# KiCad board panel.kicad_pcb (continued)
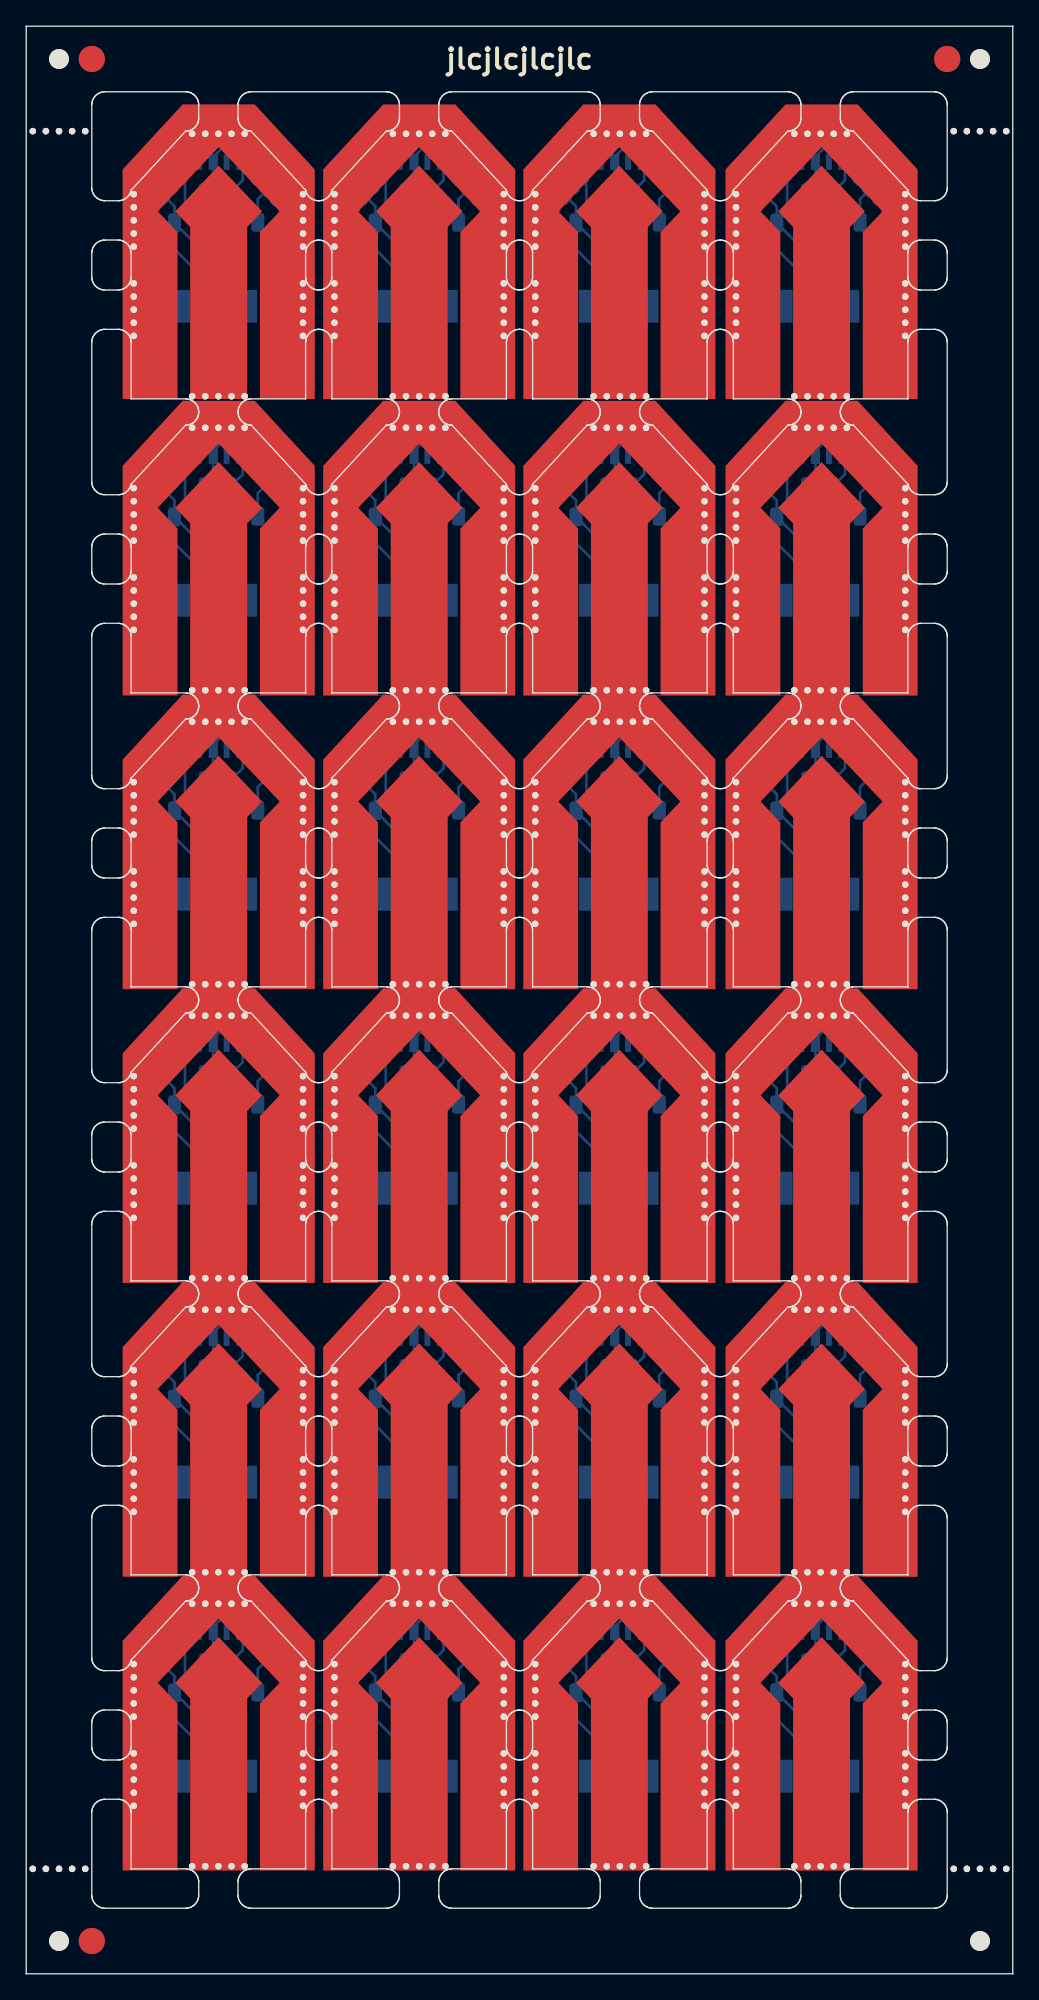
[diagram p0: board, top side]
## Nets (continued)
Board_18-LEDout: D1#8.1 J9#20.1
Board_18-Net-(D1-3): D1#8.3 D2#23.1
Board_18-Net-(D2-3): D2#23.3 D3#20.1
Board_18-unconnected-(D3-Dout-Pad3): D3#20.3
Board_18-VSS: C1#24.1 C2#10.1 C3#17.1 D1#8.4 D2#23.4 D3#20.4 J9#20.3
Board_19-3v3: C1#15.2 C2#14.2 C3#7.2 D1#15.2 D2#5.2 D3#4.2 J9#11.2
Board_19-LEDout: D1#15.1 J9#11.1
Board_19-Net-(D1-3): D1#15.3 D2#5.1
Board_19-Net-(D2-3): D2#5.3 D3#4.1
Board_19-unconnected-(D3-Dout-Pad3): D3#4.3
Board_19-VSS: C1#15.1 C2#14.1 C3#7.1 D1#15.4 D2#5.4 D3#4.4 J9#11.3
Board_20-3v3: C1#20.2 C2#23.2 C3#19.2 D1#18.2 D2.2 D3#2.2 J9#14.2
Board_20-LEDout: D1#18.1 J9#14.1
Board_20-Net-(D1-3): D1#18.3 D2.1
Board_20-Net-(D2-3): D2.3 D3#2.1
Board_20-unconnected-(D3-Dout-Pad3): D3#2.3
Board_20-VSS: C1#20.1 C2#23.1 C3#19.1 D1#18.4 D2.4 D3#2.4 J9#14.3
Board_21-3v3: C1#8.2 C2#16.2 C3#20.2 D1#4.2 D2#11.2 D3#15.2 J9.2
Board_21-LEDout: D1#4.1 J9.1
Board_21-Net-(D1-3): D1#4.3 D2#11.1
Board_21-Net-(D2-3): D2#11.3 D3#15.1
Board_21-unconnected-(D3-Dout-Pad3): D3#15.3
Board_21-VSS: C1#8.1 C2#16.1 C3#20.1 D1#4.4 D2#11.4 D3#15.4 J9.3
Board_22-3v3: C1#16.2 C2#3.2 C3#21.2 D1#20.2 D2#3.2 D3#16.2 J9#24.2
Board_22-LEDout: D1#20.1 J9#24.1
Board_22-Net-(D1-3): D1#20.3 D2#3.1
Board_22-Net-(D2-3): D2#3.3 D3#16.1
Board_22-unconnected-(D3-Dout-Pad3): D3#16.3
Board_22-VSS: C1#16.1 C2#3.1 C3#21.1 D1#20.4 D2#3.4 D3#16.4 J9#24.3
Board_23-3v3: C1#4.2 C2#8.2 C3#11.2 D1#11.2 D2#2.2 D3#24.2 J9#5.2
Board_23-LEDout: D1#11.1 J9#5.1
Board_23-Net-(D1-3): D1#11.3 D2#2.1
Board_23-Net-(D2-3): D2#2.3 D3#24.1
Board_23-unconnected-(D3-Dout-Pad3): D3#24.3
Board_23-VSS: C1#4.1 C2#8.1 C3#11.1 D1#11.4 D2#2.4 D3#24.4 J9#5.3

## Routing (per net, layer and track width the routed paths; a pad name or vN(x,y) marks a point on that pad's centre or on a via; arc(x,y) is an arc through that point)
Board_0-3v3: length 28.6
  Bottom w0.2: 15.26,139.55 12.43,139.55 9.9,137.03 9.9,135.92 D1#9.2 ; 15.26,139.55 15.31,139.6 16.9,139.6 18.88,137.63 18.88,136.54 D3#21.2 17.66,135.32 C3#12.2 ; 15.26,139.55 14.26,138.55 D2#16.2 14.26,136.41 C2#20.2 ; 10.39,135.69 11.31,134.78 C1.2 14.36,130.46 J9#7.2
Board_0-LEDout: length 11.5
  Bottom w0.2: J9#7.1 15.66,127.15 9.53,133.29 9.53,134.65
Board_0-Net-(D1-3): length 4
  Bottom w0.2: 11.09,136.44 10.78,136.75 10.78,137.34 11.89,138.45 13.14,138.45 ; 12.91,138.37 12.91,138.23
Board_0-Net-(D2-3): length 4.2
  Bottom w0.2: 17.53,137.18 17.53,138.39 16.81,139.11 15.62,139.11 15.28,138.78 15.28,138.45
Board_0-VSS: length 6.8
  Bottom w0.2: C2#20.1 16.51,136.76 D2#16.4 ; C1.1 12.11,134.61 12.11,136.9 D1#9.4
Board_1-3v3: length 28.6
  Bottom w0.2: D1#16.2 25.21,135.92 25.21,137.03 27.74,139.55 30.57,139.55 ; C2#5.2 29.57,136.41 D2#8.2 29.57,138.55 30.57,139.55 ; 30.57,139.55 30.62,139.6 32.21,139.6 34.18,137.63 34.18,136.54 D3#5.2 32.97,135.32 C3#16.2 ; J9#3.2 29.66,130.46 C1#23.2 26.62,134.78 25.7,135.69
Board_1-LEDout: length 11.5
  Bottom w0.2: J9#3.1 30.97,127.15 24.84,133.29 24.84,134.65
Board_1-Net-(D1-3): length 4
  Bottom w0.2: 26.4,136.44 26.09,136.75 26.09,137.34 27.2,138.45 28.44,138.45 ; 28.22,138.37 28.22,138.23
Board_1-Net-(D2-3): length 4.2
  Bottom w0.2: 32.84,137.18 32.84,138.39 32.12,139.11 30.93,139.11 30.59,138.78 30.59,138.45
Board_1-VSS: length 6.8
  Bottom w0.2: D1#16.4 27.41,136.9 27.41,134.61 C1#23.1 ; C2#5.1 31.82,136.76 D2#8.4
Board_2-3v3: length 28.6
  Bottom w0.2: C2#4.2 44.88,136.41 D2#14.2 44.88,138.55 45.87,139.55 ; 45.87,139.55 43.04,139.55 40.52,137.03 40.52,135.92 D1#24.2 ; 45.87,139.55 45.93,139.6 47.52,139.6 49.49,137.63 49.49,136.54 D3#10.2 48.28,135.32 C3#14.2 ; 41.01,135.69 41.93,134.78 C1#13.2 44.97,130.46 J9#9.2
Board_2-LEDout: length 11.5
  Bottom w0.2: J9#9.1 46.28,127.15 40.14,133.29 40.14,134.65
Board_2-Net-(D1-3): length 4
  Bottom w0.2: 41.71,136.44 41.4,136.75 41.4,137.34 42.51,138.45 43.75,138.45 ; 43.53,138.37 43.53,138.23
Board_2-Net-(D2-3): length 4.2
  Bottom w0.2: 45.9,138.45 45.9,138.78 46.24,139.11 47.43,139.11 48.15,138.39 48.15,137.18
Board_2-VSS: length 6.8
  Bottom w0.2: D1#24.4 42.72,136.9 42.72,134.61 C1#13.1 ; D2#14.4 47.13,136.76 C2#4.1
Board_3-3v3: length 28.6
  Bottom w0.2: 61.18,139.55 58.35,139.55 55.83,137.03 55.83,135.92 D1#17.2 ; 61.18,139.55 61.24,139.6 62.83,139.6 64.8,137.63 64.8,136.54 D3#18.2 63.59,135.32 C3#5.2 ; 61.18,139.55 60.19,138.55 D2#7.2 60.19,136.41 C2#17.2 ; 56.32,135.69 57.24,134.78 C1#14.2 60.28,130.46 J9#19.2
Board_3-LEDout: length 11.5
  Bottom w0.2: 55.45,134.65 55.45,133.29 61.59,127.15 J9#19.1
Board_3-Net-(D1-3): length 4
  Bottom w0.2: 57.02,136.44 56.71,136.75 56.71,137.34 57.82,138.45 59.06,138.45 ; 58.84,138.37 58.84,138.23
Board_3-Net-(D2-3): length 4.2
  Bottom w0.2: 63.46,137.18 63.46,138.39 62.74,139.11 61.55,139.11 61.21,138.78 61.21,138.45
Board_3-VSS: length 6.8
  Bottom w0.2: C1#14.1 58.03,134.61 58.03,136.9 D1#17.4 ; C2#17.1 62.44,136.76 D2#7.4
Board_4-3v3: length 28.6
  Bottom w0.2: J9#22.2 14.36,108.05 C1#18.2 11.31,112.36 10.39,113.27 ; 15.26,117.13 14.26,116.13 D2#12.2 14.26,113.99 C2#19.2 ; 15.26,117.13 12.43,117.13 9.9,114.61 9.9,113.5 D1#6.2 ; 15.26,117.13 15.31,117.19 16.9,117.19 18.88,115.21 18.88,114.12 D3.2 17.66,112.9 C3#6.2
Board_4-LEDout: length 11.5
  Bottom w0.2: 9.53,112.24 9.53,110.87 15.66,104.74 J9#22.1
Board_4-Net-(D1-3): length 4
  Bottom w0.2: 12.91,115.96 12.91,115.81 ; 13.14,116.03 11.89,116.03 10.78,114.92 10.78,114.33 11.09,114.02
Board_4-Net-(D2-3): length 4.2
  Bottom w0.2: 15.28,116.03 15.28,116.36 15.62,116.69 16.81,116.69 17.53,115.97 17.53,114.77
Board_4-VSS: length 6.8
  Bottom w0.2: D1#6.4 12.11,114.49 12.11,112.2 C1#18.1 ; D2#12.4 16.51,114.34 C2#19.1
Board_5-3v3: length 28.6
  Bottom w0.2: 30.57,117.13 29.57,116.13 D2#22.2 29.57,113.99 C2#22.2 ; 30.57,117.13 27.74,117.13 25.21,114.61 25.21,113.5 D1#14.2 ; 30.57,117.13 30.62,117.19 32.21,117.19 34.18,115.21 34.18,114.12 D3#13.2 32.97,112.9 C3#8.2 ; J9#13.2 29.66,108.05 C1#22.2 26.62,112.36 25.7,113.27
Board_5-LEDout: length 11.5
  Bottom w0.2: 24.84,112.24 24.84,110.87 30.97,104.74 J9#13.1
Board_5-Net-(D1-3): length 4
  Bottom w0.2: 28.44,116.03 27.2,116.03 26.09,114.92 26.09,114.33 26.4,114.02 ; 28.22,115.96 28.22,115.81
Board_5-Net-(D2-3): length 4.2
  Bottom w0.2: 32.84,114.77 32.84,115.97 32.12,116.69 30.93,116.69 30.59,116.36 30.59,116.03
Board_5-VSS: length 6.8
  Bottom w0.2: C1#22.1 27.41,112.2 27.41,114.49 D1#14.4 ; D2#22.4 31.82,114.34 C2#22.1
Board_6-3v3: length 28.6
  Bottom w0.2: 45.87,117.13 44.88,116.13 D2#18.2 44.88,113.99 C2#2.2 ; 45.87,117.13 43.04,117.13 40.52,114.61 40.52,113.5 D1#12.2 ; 45.87,117.13 45.93,117.19 47.52,117.19 49.49,115.21 49.49,114.12 D3#9.2 48.28,112.9 C3#9.2 ; J9#2.2 44.97,108.05 C1#11.2 41.93,112.36 41.01,113.27
Board_6-LEDout: length 11.5
  Bottom w0.2: 40.14,112.24 40.14,110.87 46.28,104.74 J9#2.1
Board_6-Net-(D1-3): length 4
  Bottom w0.2: 41.71,114.02 41.4,114.33 41.4,114.92 42.51,116.03 43.75,116.03 ; 43.53,115.96 43.53,115.81
Board_6-Net-(D2-3): length 4.2
  Bottom w0.2: 48.15,114.77 48.15,115.97 47.43,116.69 46.24,116.69 45.9,116.36 45.9,116.03
Board_6-VSS: length 6.8
  Bottom w0.2: C2#2.1 47.13,114.34 D2#18.4 ; C1#11.1 42.72,112.2 42.72,114.49 D1#12.4
Board_7-3v3: length 28.6
  Bottom w0.2: 61.18,117.13 60.19,116.13 D2#15.2 60.19,113.99 C2#11.2 ; 61.18,117.13 58.35,117.13 55.83,114.61 55.83,113.5 D1.2 ; 61.18,117.13 61.24,117.19 62.83,117.19 64.8,115.21 64.8,114.12 D3#12.2 63.59,112.9 C3.2 ; J9#16.2 60.28,108.05 C1#2.2 57.24,112.36 56.32,113.27
Board_7-LEDout: length 11.5
  Bottom w0.2: J9#16.1 61.59,104.74 55.45,110.87 55.45,112.24
Board_7-Net-(D1-3): length 4
  Bottom w0.2: 59.06,116.03 57.82,116.03 56.71,114.92 56.71,114.33 57.02,114.02 ; 58.84,115.96 58.84,115.81
Board_7-Net-(D2-3): length 4.2
  Bottom w0.2: 61.21,116.03 61.21,116.36 61.55,116.69 62.74,116.69 63.46,115.97 63.46,114.77
Board_7-VSS: length 6.8
  Bottom w0.2: C2#11.1 62.44,114.34 D2#15.4 ; C1#2.1 58.03,112.2 58.03,114.49 D1.4
Board_8-3v3: length 28.6
  Bottom w0.2: 15.26,94.71 15.31,94.77 16.9,94.77 18.88,92.79 18.88,91.7 D3#8.2 17.66,90.48 C3#4.2 ; 15.26,94.71 14.26,93.72 D2#10.2 14.26,91.57 C2.2 ; 15.26,94.71 12.43,94.71 9.9,92.19 9.9,91.09 D1#5.2 ; 10.39,90.86 11.31,89.94 C1#3.2 14.36,85.63 J9#4.2
Board_8-LEDout: length 11.5
  Bottom w0.2: J9#4.1 15.66,82.32 9.53,88.46 9.53,89.82
Board_8-Net-(D1-3): length 4
  Bottom w0.2: 13.14,93.61 11.89,93.61 10.78,92.5 10.78,91.92 11.09,91.61 ; 12.91,93.54 12.91,93.39
Board_8-Net-(D2-3): length 4.2
  Bottom w0.2: 17.53,92.35 17.53,93.55 16.81,94.27 15.62,94.27 15.28,93.94 15.28,93.61
Board_8-VSS: length 6.8
  Bottom w0.2: D2#10.4 16.51,91.92 C2.1 ; C1#3.1 12.11,89.78 12.11,92.07 D1#5.4
Board_9-3v3: length 28.6
  Bottom w0.2: 30.57,94.71 30.62,94.77 32.21,94.77 34.18,92.79 34.18,91.7 D3#23.2 32.97,90.48 C3#2.2 ; 30.57,94.71 27.74,94.71 25.21,92.19 25.21,91.09 D1#19.2 ; 30.57,94.71 29.57,93.72 D2#24.2 29.57,91.57 C2#7.2 ; 25.7,90.86 26.62,89.94 C1#5.2 29.66,85.63 J9#23.2
Board_9-LEDout: length 11.5
  Bottom w0.2: J9#23.1 30.97,82.32 24.84,88.46 24.84,89.82
Board_9-Net-(D1-3): length 4
  Bottom w0.2: 28.22,93.54 28.22,93.39 ; 28.44,93.61 27.2,93.61 26.09,92.5 26.09,91.92 26.4,91.61
Board_9-Net-(D2-3): length 4.2
  Bottom w0.2: 30.59,93.61 30.59,93.94 30.93,94.27 32.12,94.27 32.84,93.55 32.84,92.35
Board_9-VSS: length 6.8
  Bottom w0.2: C1#5.1 27.41,89.78 27.41,92.07 D1#19.4 ; D2#24.4 31.82,91.92 C2#7.1
Board_10-3v3: length 28.6
  Bottom w0.2: 45.87,94.71 44.88,93.72 D2#17.2 44.88,91.57 C2#6.2 ; 45.87,94.71 43.04,94.71 40.52,92.19 40.52,91.09 D1#7.2 ; 45.87,94.71 45.93,94.77 47.52,94.77 49.49,92.79 49.49,91.7 D3#7.2 48.28,90.48 C3#3.2 ; 41.01,90.86 41.93,89.94 C1#21.2 44.97,85.63 J9#8.2
Board_10-LEDout: length 11.5
  Bottom w0.2: 40.14,89.82 40.14,88.46 46.28,82.32 J9#8.1
Board_10-Net-(D1-3): length 4
  Bottom w0.2: 43.53,93.54 43.53,93.39 ; 43.75,93.61 42.51,93.61 41.4,92.5 41.4,91.92 41.71,91.61
Board_10-Net-(D2-3): length 4.2
  Bottom w0.2: 45.9,93.61 45.9,93.94 46.24,94.27 47.43,94.27 48.15,93.55 48.15,92.35
Board_10-VSS: length 6.8
  Bottom w0.2: D2#17.4 47.13,91.92 C2#6.1 ; D1#7.4 42.72,92.07 42.72,89.78 C1#21.1
Board_11-3v3: length 28.6
  Bottom w0.2: C2#24.2 60.19,91.57 D2#9.2 60.19,93.72 61.18,94.71 ; J9#17.2 60.28,85.63 C1#6.2 57.24,89.94 56.32,90.86 ; D1#13.2 55.83,91.09 55.83,92.19 58.35,94.71 61.18,94.71 ; 61.18,94.71 61.24,94.77 62.83,94.77 64.8,92.79 64.8,91.7 D3#17.2 63.59,90.48 C3#24.2
Board_11-LEDout: length 11.5
  Bottom w0.2: 55.45,89.82 55.45,88.46 61.59,82.32 J9#17.1
Board_11-Net-(D1-3): length 4
  Bottom w0.2: 59.06,93.61 57.82,93.61 56.71,92.5 56.71,91.92 57.02,91.61 ; 58.84,93.54 58.84,93.39
Board_11-Net-(D2-3): length 4.2
  Bottom w0.2: 61.21,93.61 61.21,93.94 61.55,94.27 62.74,94.27 63.46,93.55 63.46,92.35
Board_11-VSS: length 6.8
  Bottom w0.2: C2#24.1 62.44,91.92 D2#9.4 ; C1#6.1 58.03,89.78 58.03,92.07 D1#13.4
Board_12-3v3: length 28.6
  Bottom w0.2: 15.26,72.29 14.26,71.3 D2#4.2 14.26,69.16 C2#15.2 ; 15.26,72.29 12.43,72.29 9.9,69.77 9.9,68.67 D1#2.2 ; 15.26,72.29 15.31,72.35 16.9,72.35 18.88,70.37 18.88,69.28 D3#6.2 17.66,68.07 C3#10.2 ; J9#10.2 14.36,63.21 C1#19.2 11.31,67.52 10.39,68.44
Board_12-LEDout: length 11.5
  Bottom w0.2: J9#10.1 15.66,59.9 9.53,66.04 9.53,67.4
Board_12-Net-(D1-3): length 4
  Bottom w0.2: 13.14,71.2 11.89,71.2 10.78,70.08 10.78,69.5 11.09,69.19 ; 12.91,71.12 12.91,70.97
Board_12-Net-(D2-3): length 4.2
  Bottom w0.2: 17.53,69.93 17.53,71.13 16.81,71.86 15.62,71.86 15.28,71.52 15.28,71.2
Board_12-VSS: length 6.8
  Bottom w0.2: D2#4.4 16.51,69.51 C2#15.1 ; C1#19.1 12.11,67.36 12.11,69.65 D1#2.4
Board_13-3v3: length 28.6
  Bottom w0.2: 30.57,72.29 30.62,72.35 32.21,72.35 34.18,70.37 34.18,69.28 D3#11.2 32.97,68.07 C3#23.2 ; 30.57,72.29 29.57,71.3 D2#19.2 29.57,69.16 C2#18.2 ; 30.57,72.29 27.74,72.29 25.21,69.77 25.21,68.67 D1#22.2 ; J9#6.2 29.66,63.21 C1#12.2 26.62,67.52 25.7,68.44
Board_13-LEDout: length 11.5
  Bottom w0.2: 24.84,67.4 24.84,66.04 30.97,59.9 J9#6.1
Board_13-Net-(D1-3): length 4
  Bottom w0.2: 26.4,69.19 26.09,69.5 26.09,70.08 27.2,71.2 28.44,71.2 ; 28.22,71.12 28.22,70.97
Board_13-Net-(D2-3): length 4.2
  Bottom w0.2: 30.59,71.2 30.59,71.52 30.93,71.86 32.12,71.86 32.84,71.13 32.84,69.93
Board_13-VSS: length 6.8
  Bottom w0.2: D1#22.4 27.41,69.65 27.41,67.36 C1#12.1 ; D2#19.4 31.82,69.51 C2#18.1
Board_14-3v3: length 28.6
  Bottom w0.2: J9#18.2 44.97,63.21 C1#17.2 41.93,67.52 41.01,68.44 ; 45.87,72.29 44.88,71.3 D2#13.2 44.88,69.16 C2#12.2 ; 45.87,72.29 43.04,72.29 40.52,69.77 40.52,68.67 D1#10.2 ; 45.87,72.29 45.93,72.35 47.52,72.35 49.49,70.37 49.49,69.28 D3#22.2 48.28,68.07 C3#22.2
Board_14-LEDout: length 11.5
  Bottom w0.2: 40.14,67.4 40.14,66.04 46.28,59.9 J9#18.1
Board_14-Net-(D1-3): length 4
  Bottom w0.2: 41.71,69.19 41.4,69.5 41.4,70.08 42.51,71.2 43.75,71.2 ; 43.53,71.12 43.53,70.97
Board_14-Net-(D2-3): length 4.2
  Bottom w0.2: 45.9,71.2 45.9,71.52 46.24,71.86 47.43,71.86 48.15,71.13 48.15,69.93
Board_14-VSS: length 6.8
  Bottom w0.2: C2#12.1 47.13,69.51 D2#13.4 ; D1#10.4 42.72,69.65 42.72,67.36 C1#17.1
Board_15-3v3: length 28.6
  Bottom w0.2: D1#3.2 55.83,68.67 55.83,69.77 58.35,72.29 61.18,72.29 ; C3#13.2 63.59,68.07 D3#14.2 64.8,69.28 64.8,70.37 62.83,72.35 61.24,72.35 61.18,72.29 ; 61.18,72.29 60.19,71.3 D2#21.2 60.19,69.16 C2#9.2 ; 56.32,68.44 57.24,67.52 C1#7.2 60.28,63.21 J9#21.2
Board_15-LEDout: length 11.5
  Bottom w0.2: J9#21.1 61.59,59.9 55.45,66.04 55.45,67.4
Board_15-Net-(D1-3): length 4
  Bottom w0.2: 58.84,71.12 58.84,70.97 ; 59.06,71.2 57.82,71.2 56.71,70.08 56.71,69.5 57.02,69.19
Board_15-Net-(D2-3): length 4.2
  Bottom w0.2: 63.46,69.93 63.46,71.13 62.74,71.86 61.55,71.86 61.21,71.52 61.21,71.2
Board_15-VSS: length 6.8
  Bottom w0.2: C1#7.1 58.03,67.36 58.03,69.65 D1#3.4 ; C2#9.1 62.44,69.51 D2#21.4
Board_16-3v3: length 28.6
  Bottom w0.2: 15.26,49.88 12.43,49.88 9.9,47.35 9.9,46.25 D1#21.2 ; 15.26,49.88 15.31,49.93 16.9,49.93 18.88,47.96 18.88,46.86 D3#19.2 17.66,45.65 C3#18.2 ; 15.26,49.88 14.26,48.88 D2#20.2 14.26,46.74 C2#13.2 ; 10.39,46.02 11.31,45.1 C1#9.2 14.36,40.79 J9#12.2
Board_16-LEDout: length 11.5
  Bottom w0.2: 9.53,44.98 9.53,43.62 15.66,37.48 J9#12.1
Board_16-Net-(D1-3): length 4
  Bottom w0.2: 13.14,48.78 11.89,48.78 10.78,47.67 10.78,47.08 11.09,46.77 ; 12.91,48.7 12.91,48.56
Board_16-Net-(D2-3): length 4.2
  Bottom w0.2: 15.28,48.78 15.28,49.1 15.62,49.44 16.81,49.44 17.53,48.71 17.53,47.51
Board_16-VSS: length 6.8
  Bottom w0.2: C1#9.1 12.11,44.94 12.11,47.23 D1#21.4 ; C2#13.1 16.51,47.09 D2#20.4
Board_17-3v3: length 28.6
  Bottom w0.2: J9#15.2 29.66,40.79 C1#10.2 26.62,45.1 25.7,46.02 ; 30.57,49.88 27.74,49.88 25.21,47.35 25.21,46.25 D1#23.2 ; 30.57,49.88 30.62,49.93 32.21,49.93 34.18,47.96 34.18,46.86 D3#3.2 32.97,45.65 C3#15.2 ; 30.57,49.88 29.57,48.88 D2#6.2 29.57,46.74 C2#21.2
Board_17-LEDout: length 11.5
  Bottom w0.2: J9#15.1 30.97,37.48 24.84,43.62 24.84,44.98
Board_17-Net-(D1-3): length 4
  Bottom w0.2: 28.22,48.7 28.22,48.56 ; 28.44,48.78 27.2,48.78 26.09,47.67 26.09,47.08 26.4,46.77
Board_17-Net-(D2-3): length 4.2
  Bottom w0.2: 32.84,47.51 32.84,48.71 32.12,49.44 30.93,49.44 30.59,49.1 30.59,48.78
Board_17-VSS: length 6.8
  Bottom w0.2: C1#10.1 27.41,44.94 27.41,47.23 D1#23.4 ; C2#21.1 31.82,47.09 D2#6.4
Board_18-3v3: length 28.6
  Bottom w0.2: D1#8.2 40.52,46.25 40.52,47.35 43.04,49.88 45.87,49.88 ; 45.87,49.88 45.93,49.93 47.52,49.93 49.49,47.96 49.49,46.86 D3#20.2 48.28,45.65 C3#17.2 ; 45.87,49.88 44.88,48.88 D2#23.2 44.88,46.74 C2#10.2 ; J9#20.2 44.97,40.79 C1#24.2 41.93,45.1 41.01,46.02
Board_18-LEDout: length 11.5
  Bottom w0.2: J9#20.1 46.28,37.48 40.14,43.62 40.14,44.98
Board_18-Net-(D1-3): length 4
  Bottom w0.2: 43.75,48.78 42.51,48.78 41.4,47.67 41.4,47.08 41.71,46.77 ; 43.53,48.7 43.53,48.56
Board_18-Net-(D2-3): length 4.2
  Bottom w0.2: 45.9,48.78 45.9,49.1 46.24,49.44 47.43,49.44 48.15,48.71 48.15,47.51
Board_18-VSS: length 6.8
  Bottom w0.2: C1#24.1 42.72,44.94 42.72,47.23 D1#8.4 ; D2#23.4 47.13,47.09 C2#10.1
Board_19-3v3: length 28.6
  Bottom w0.2: C3#7.2 63.59,45.65 D3#4.2 64.8,46.86 64.8,47.96 62.83,49.93 61.24,49.93 61.18,49.88 ; J9#11.2 60.28,40.79 C1#15.2 57.24,45.1 56.32,46.02 ; 61.18,49.88 60.19,48.88 D2#5.2 60.19,46.74 C2#14.2 ; 61.18,49.88 58.35,49.88 55.83,47.35 55.83,46.25 D1#15.2
Board_19-LEDout: length 11.5
  Bottom w0.2: J9#11.1 61.59,37.48 55.45,43.62 55.45,44.98
Board_19-Net-(D1-3): length 4
  Bottom w0.2: 59.06,48.78 57.82,48.78 56.71,47.67 56.71,47.08 57.02,46.77 ; 58.84,48.7 58.84,48.56
Board_19-Net-(D2-3): length 4.2
  Bottom w0.2: 61.21,48.78 61.21,49.1 61.55,49.44 62.74,49.44 63.46,48.71 63.46,47.51
Board_19-VSS: length 6.8
  Bottom w0.2: C2#14.1 62.44,47.09 D2#5.4 ; D1#15.4 58.03,47.23 58.03,44.94 C1#15.1
Board_20-3v3: length 28.6
  Bottom w0.2: 10.39,23.6 11.31,22.69 C1#20.2 14.36,18.37 J9#14.2 ; 15.26,27.46 15.31,27.51 16.9,27.51 18.88,25.54 18.88,24.45 D3#2.2 17.66,23.23 C3#19.2 ; 15.26,27.46 12.43,27.46 9.9,24.94 9.9,23.83 D1#18.2 ; 15.26,27.46 14.26,26.46 D2.2 14.26,24.32 C2#23.2
Board_20-LEDout: length 11.5
  Bottom w0.2: J9#14.1 15.66,15.06 9.53,21.2 9.53,22.56
Board_20-Net-(D1-3): length 4
  Bottom w0.2: 11.09,24.35 10.78,24.66 10.78,25.25 11.89,26.36 13.14,26.36 ; 12.91,26.28 12.91,26.14
Board_20-Net-(D2-3): length 4.2
  Bottom w0.2: 15.28,26.36 15.28,26.69 15.62,27.02 16.81,27.02 17.53,26.3 17.53,25.09
Board_20-VSS: length 6.8
  Bottom w0.2: D1#18.4 12.11,24.81 12.11,22.52 C1#20.1 ; C2#23.1 16.51,24.67 D2.4
Board_21-3v3: length 28.6
  Bottom w0.2: 30.57,27.46 30.62,27.51 32.21,27.51 34.18,25.54 34.18,24.45 D3#15.2 32.97,23.23 C3#20.2 ; 30.57,27.46 29.57,26.46 D2#11.2 29.57,24.32 C2#16.2 ; 30.57,27.46 27.74,27.46 25.21,24.94 25.21,23.83 D1#4.2 ; J9.2 29.66,18.37 C1#8.2 26.62,22.69 25.7,23.6
Board_21-LEDout: length 11.5
  Bottom w0.2: J9.1 30.97,15.06 24.84,21.2 24.84,22.56
Board_21-Net-(D1-3): length 4
  Bottom w0.2: 28.44,26.36 27.2,26.36 26.09,25.25 26.09,24.66 26.4,24.35 ; 28.22,26.28 28.22,26.14
Board_21-Net-(D2-3): length 4.2
  Bottom w0.2: 30.59,26.36 30.59,26.69 30.93,27.02 32.12,27.02 32.84,26.3 32.84,25.09
Board_21-VSS: length 6.8
  Bottom w0.2: D1#4.4 27.41,24.81 27.41,22.52 C1#8.1 ; C2#16.1 31.82,24.67 D2#11.4
Board_22-3v3: length 28.6
  Bottom w0.2: J9#24.2 44.97,18.37 C1#16.2 41.93,22.69 41.01,23.6 ; C2#3.2 44.88,24.32 D2#3.2 44.88,26.46 45.87,27.46 ; 45.87,27.46 43.04,27.46 40.52,24.94 40.52,23.83 D1#20.2 ; 45.87,27.46 45.93,27.51 47.52,27.51 49.49,25.54 49.49,24.45 D3#16.2 48.28,23.23 C3#21.2
Board_22-LEDout: length 11.5
  Bottom w0.2: 40.14,22.56 40.14,21.2 46.28,15.06 J9#24.1
Board_22-Net-(D1-3): length 4
  Bottom w0.2: 43.75,26.36 42.51,26.36 41.4,25.25 41.4,24.66 41.71,24.35 ; 43.53,26.28 43.53,26.14
Board_22-Net-(D2-3): length 4.2
  Bottom w0.2: 45.9,26.36 45.9,26.69 46.24,27.02 47.43,27.02 48.15,26.3 48.15,25.09
Board_22-VSS: length 6.8
  Bottom w0.2: D2#3.4 47.13,24.67 C2#3.1 ; C1#16.1 42.72,22.52 42.72,24.81 D1#20.4
Board_23-3v3: length 28.6
  Bottom w0.2: 61.18,27.46 60.19,26.46 D2#2.2 60.19,24.32 C2#8.2 ; 61.18,27.46 61.24,27.51 62.83,27.51 64.8,25.54 64.8,24.45 D3#24.2 63.59,23.23 C3#11.2 ; 61.18,27.46 58.35,27.46 55.83,24.94 55.83,23.83 D1#11.2 ; 56.32,23.6 57.24,22.69 C1#4.2 60.28,18.37 J9#5.2
Board_23-LEDout: length 11.5
  Bottom w0.2: J9#5.1 61.59,15.06 55.45,21.2 55.45,22.56
Board_23-Net-(D1-3): length 4
  Bottom w0.2: 57.02,24.35 56.71,24.66 56.71,25.25 57.82,26.36 59.06,26.36 ; 58.84,26.28 58.84,26.14
Board_23-Net-(D2-3): length 4.2
  Bottom w0.2: 61.21,26.36 61.21,26.69 61.55,27.02 62.74,27.02 63.46,26.3 63.46,25.09
Board_23-VSS: length 6.8
  Bottom w0.2: C2#8.1 62.44,24.67 D2#2.4 ; D1#11.4 58.03,24.81 58.03,22.52 C1#4.1

## Copper pours and planes (outline as drawn; the poured copper is in the pictures)
Board_0-VSS on Bottom: 5.8,142.5 23.8,142.5 23.8,117.5 5.8,117.5
Board_1-VSS on Bottom: 21.11,142.5 39.11,142.5 39.11,117.5 21.11,117.5
Board_2-VSS on Bottom: 36.42,142.5 54.42,142.5 54.42,117.5 36.42,117.5
Board_3-VSS on Bottom: 51.73,142.5 69.73,142.5 69.73,117.5 51.73,117.5
Board_4-VSS on Bottom: 5.8,120.09 23.8,120.09 23.8,95.09 5.8,95.09
Board_5-VSS on Bottom: 21.11,120.09 39.11,120.09 39.11,95.09 21.11,95.09
Board_6-VSS on Bottom: 36.42,120.09 54.42,120.09 54.42,95.09 36.42,95.09
Board_7-VSS on Bottom: 51.73,120.09 69.73,120.09 69.73,95.09 51.73,95.09
Board_8-VSS on Bottom: 5.8,97.67 23.8,97.67 23.8,72.67 5.8,72.67
Board_9-VSS on Bottom: 21.11,97.67 39.11,97.67 39.11,72.67 21.11,72.67
Board_10-VSS on Bottom: 36.42,97.67 54.42,97.67 54.42,72.67 36.42,72.67
Board_11-VSS on Bottom: 51.73,97.67 69.73,97.67 69.73,72.67 51.73,72.67
Board_12-VSS on Bottom: 5.8,75.25 23.8,75.25 23.8,50.25 5.8,50.25
Board_13-VSS on Bottom: 21.11,75.25 39.11,75.25 39.11,50.25 21.11,50.25
Board_14-VSS on Bottom: 36.42,75.25 54.42,75.25 54.42,50.25 36.42,50.25
Board_15-VSS on Bottom: 51.73,75.25 69.73,75.25 69.73,50.25 51.73,50.25
Board_16-VSS on Bottom: 5.8,52.83 23.8,52.83 23.8,27.83 5.8,27.83
Board_17-VSS on Bottom: 21.11,52.83 39.11,52.83 39.11,27.83 21.11,27.83
Board_18-VSS on Bottom: 36.42,52.83 54.42,52.83 54.42,27.83 36.42,27.83
Board_19-VSS on Bottom: 51.73,52.83 69.73,52.83 69.73,27.83 51.73,27.83
Board_20-VSS on Bottom: 5.8,30.41 23.8,30.41 23.8,5.41 5.8,5.41
Board_21-VSS on Bottom: 21.11,30.41 39.11,30.41 39.11,5.41 21.11,5.41
Board_22-VSS on Bottom: 36.42,30.41 54.42,30.41 54.42,5.41 36.42,5.41
Board_23-VSS on Bottom: 51.73,30.41 69.73,30.41 69.73,5.41 51.73,5.41

Small or netless copper shapes (teardrops, artwork), in the pictures only: 25 on Top

## Text on the board
F.Silkscreen: jlcjlcjlcjlc
